# Altium PCB cyber60-mxhs.PcbDoc (part 2 of 4)
Units mm, origin at the board's own origin, x right, y up, seen from the top; angles counter-clockwise.
Board outline 284.73 x 94.2 mm, 2 copper layers (Component Side, Bottom Layer), stack 1.571 mm thick; 236 components, 146 nets, 1621 pads, 605 vias.
Unrouted connection lines stored in the file: 6.
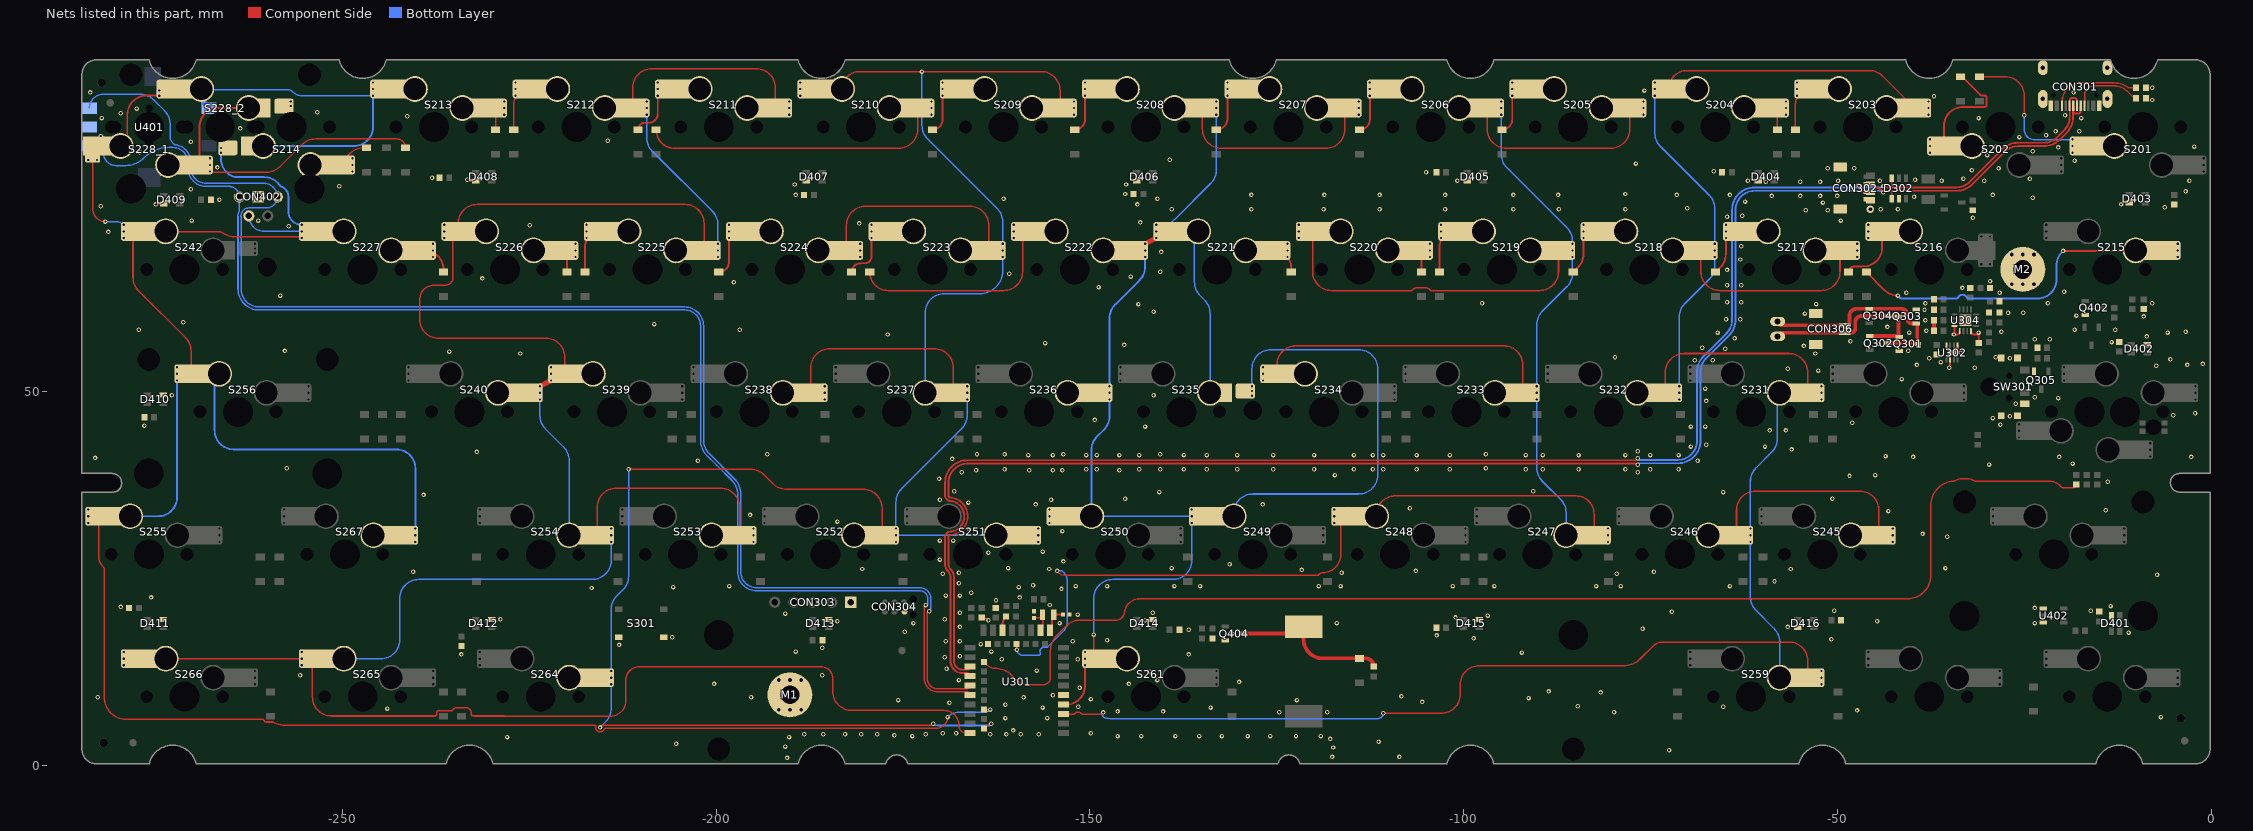
[diagram p2: the nets of this part, all layers, seen from the top]

## Via types
v1: diameter 0.6, hole 0.3, Component Side to Bottom Layer, tented both sides, 594 vias
v2: diameter 1, hole 0.5, Component Side to Bottom Layer, tented both sides, 11 vias

## Nets (pads, with @x,y where several pads share a name; then routed paths per layer and width w, separated by ;. In a path a pad name is that pad's centre, name@x,y a point inside that pad or via, vN(x,y) a via of type N, cw(c..) or ccw(c..) an arc to the next point about the centre after c; other vN are vias at no path point) (continued)
col2: S203.2 S204.2 S217.2 S218.2 S231.2 S232.2 S245.2 S246.2 S259.2 U301.3 | length 327.1
  Component Side w0.203: U301.3@-153.543,6.866 -152.176,6.866 ccw(c-152.177,7.069) -152.024,6.935 cw(c-151.572,6.538) -151.119,6.934 ccw(c-150.967,7.069) -150.968,6.866 -148.443,6.866 ccw(c-148.443,7.1) v1(-148.209,7.1) ; v1(-110.744,6.985) -103.022,6.985 ccw(c-103.022,9.55) -100.457,9.55 -100.457,10.802 cw(c-97.892,10.802) -97.892,13.368 -78.569,13.368 ccw(c-78.569,16.463) -76.83,13.902 ccw(c-78.569,16.463) -76.381,14.274 -74.716,15.939 cw(c-73.311,14.537) -73.311,16.521 -59.563,16.521 -56.462,16.521 ; S232.2@-73.028,49.855 -73.028,52.578 cw(c-70.488,52.578) -70.488,55.118 -56.518,55.118 cw(c-56.518,52.578) -53.978,52.578 S231.2@-53.978,49.855 ; S204.2@-72.59,90.495 cw(c-70.121,90.495) -70.121,92.964 -45.751,92.964 cw(c-45.751,90.424) -43.955,92.22 S203.2@-39.69,87.955 ; S218.2@-68.199,69.064 cw(c-68.424,69.064) S218.2@-68.265,68.905 -68.265,66.076 ccw(c-65.725,66.076) -65.725,63.536 -52.197,63.536 ccw(c-52.197,66.076) -49.657,66.076 -49.657,68.463 cw(c-49.215,68.463) S217.2@-49.215,68.905 ; S246.2@-63.503,30.805 -63.503,34.163 cw(c-60.963,34.163) -60.963,36.703 -46.993,36.703 cw(c-46.993,34.163) -44.453,34.163 S245.2@-44.453,30.805 ; -56.462,16.521 cw(c-56.462,14.034) -53.975,14.034 -53.975,13.843 -53.977,13.841 S259.2@-53.977,11.755
  Bottom Layer w0.203: v1(-148.209,7.1) cw(c-148.328,7.1) -148.328,6.981 -148.383,6.981 cw(c-148.382,7.184) -148.449,6.992 cw(c-148.382,7.184) -148.452,6.993 ccw(c-147.543,7.229) -148.208,6.565 ccw(c-147.543,7.229) -148.205,6.563 ccw(c-147.543,7.229) -147.868,6.348 ccw(c-147.799,6.539) -147.816,6.336 -147.566,6.315 -147.26,6.29 -146.304,6.29 -142.748,6.29 -111.439,6.29 ccw(c-111.439,6.985) v1(-110.744,6.985) ; S204.2@-74.45,89.606 -74.45,84.646 ccw(c-71.91,84.646) -73.706,82.85 -67.149,76.293 cw(c-68.945,74.497) -66.405,74.497 S218.2@-66.405,69.794 ; S232.2@-71.168,50.744 -71.168,59.987 cw(c-68.628,59.987) -70.424,61.783 -67.149,65.058 ccw(c-68.945,66.854) -66.405,66.854 S218.2@-66.405,68.016 ; S246.2@-61.643,29.916 -61.643,22.563 ccw(c-59.103,22.563) -60.899,20.767 -58.471,18.339 cw(c-60.267,16.543) -57.727,16.543 S259.2@-57.727,11.755 ; S246.2@-61.643,31.694 -61.643,38.016 cw(c-59.103,38.016) -60.899,39.812 -58.783,41.928 ccw(c-60.579,43.724) -58.039,43.724 -58.039,49.104 cw(c-56.977,49.104) S231.2@-57.728,49.855
  Bottom Layer w0.7: S204.2@-74.45,89.606 S204.2@-74.45,90.495 S204.2@-74.45,91.384 ; S232.2@-71.168,48.966 S232.2@-71.168,49.855 S232.2@-71.168,50.744 ; S218.2@-66.405,68.016 S218.2@-66.405,68.905 S218.2@-66.405,69.794 ; S246.2@-61.643,29.916 S246.2@-61.643,30.805 S246.2@-61.643,31.694 ; S231.2@-52.118,48.966 S231.2@-52.118,49.855 S231.2@-52.118,50.744 ; S259.2@-52.117,10.866 S259.2@-52.117,12.644 ; S217.2@-47.355,68.016 S217.2@-47.355,69.794 ; S245.2@-42.593,29.916 S245.2@-42.593,31.694 ; S203.2@-37.83,87.066 S203.2@-37.83,88.844
col3: S205.2 S206.2 S219.2 S220.2 S233.2 S234.2 S247.2 S248.2 U301.18 | length 286.7
  Component Side w0.203: U301.18@-159.793,16.256 -159.793,15.521 ccw(c-159.766,15.521) v1(-159.766,15.494) ; v1@-154.559,26.035 ccw(c-153.114,27.48) -153.114,25.436 ; -153.114,25.436 -153.035,25.436 -119.566,25.436 ccw(c-119.566,25.64) -119.405,25.515 cw(c-118.847,25.085) -118.847,25.79 ccw(c-118.847,28.178) -116.459,28.178 -116.459,32.339 cw(c-115.453,32.339) S248.2@-115.453,33.345 S248.2@-115.453,34.544 ; S234.2@-124.978,52.395 -124.978,53.594 cw(c-122.438,53.594) -122.438,56.134 -94.618,56.134 cw(c-94.618,53.594) -92.078,53.594 S233.2@-92.078,49.855 ; -120.215,65.913 -120.215,66.076 ; S220.2@-120.215,71.445 -120.215,66.076 ; S248.2@-111.703,33.345 -111.703,33.503 cw(c-109.138,33.503) -109.138,36.068 -84.966,36.068 cw(c-84.966,33.655) -82.553,33.655 S247.2@-82.553,30.805 ; S206.2@-96.84,87.955 -96.84,85.126 ccw(c-94.3,85.126) -94.3,82.586 -80.329,82.586 ccw(c-80.329,85.126) -77.789,85.126 S205.2@-77.79,87.955 ; S219.2@-87.376,68.966 ccw(c-87.315,68.966) S219.2@-87.315,68.905 -87.315,66.076 cw(c-89.855,66.076) -89.851,63.536 -104.335,63.536 cw(c-104.335,63.74) -104.496,63.615 ccw(c-105.054,63.185) -105.054,63.89 -106.274,63.89 ccw(c-106.274,63.185) -106.832,63.615 cw(c-106.993,63.74) -106.992,63.536 -117.675,63.536 cw(c-117.675,66.076) -120.215,66.076
  Bottom Layer w0.203: v1(-159.766,15.494) -159.69,15.418 -159.69,15.164 -159.474,14.948 ccw(c-158.952,15.47) -158.952,14.732 -156.928,14.732 ccw(c-156.928,16.466) -156.815,14.736 ccw(c-156.829,14.938) -156.64,15.014 cw(c-156.083,15.24) -156.509,15.665 cw(c-156.083,15.24) -156.508,15.666 cw(c-156.083,15.24) -156.083,15.842 cw(c-156.083,15.24) -155.874,15.804 ccw(c-155.805,15.995) -155.671,15.842 ccw(c-155.805,15.995) -155.662,15.851 -153.447,18.066 cw(c-153.162,17.78) -153.428,18.083 ccw(c-153.563,18.235) -153.367,18.18 cw(c-152.4,17.907) -153.115,18.613 ccw(c-153.26,18.755) -153.057,18.754 -153.057,24.765 ccw(c-154.559,24.765) -153.724,26.013 ccw(c-153.836,25.844) -153.877,26.043 cw(c-153.953,26.412) -153.953,26.035 v1@-154.559,26.035 ; S206.2@-94.98,87.066 -94.98,81.808 ccw(c-92.44,81.808) -94.236,80.012 -86.199,71.975 cw(c-87.995,70.179) -85.455,70.179 S219.2@-85.455,69.794 ; S233.2@-90.218,48.966 -90.218,44.788 -90.218,39.835 ccw(c-87.678,39.835) -89.474,38.039 -86.995,35.56 cw(c-88.666,33.889) -86.303,33.889 S247.2@-86.303,30.805 ; S233.2@-90.218,50.744 -90.218,58.971 cw(c-87.678,58.971) -89.474,60.767 -86.199,64.042 ccw(c-87.995,65.838) -85.455,65.838 S219.2@-85.455,68.016
  Bottom Layer w0.7: S234.2@-126.838,51.506 S234.2@-126.838,52.395 S234.2@-126.838,53.284 ; S220.2@-122.075,70.556 S220.2@-122.075,71.445 S220.2@-122.075,72.334 ; S248.2@-117.313,32.456 S248.2@-117.313,34.234 ; S206.2@-94.98,87.066 S206.2@-94.98,87.955 S206.2@-94.98,88.844 ; S233.2@-90.218,48.966 S233.2@-90.218,49.855 S233.2@-90.218,50.744 ; S219.2@-85.455,68.016 S219.2@-85.455,68.905 S219.2@-85.455,69.794 ; S247.2@-80.693,29.916 S247.2@-80.693,30.805 S247.2@-80.693,31.694 ; S205.2@-75.93,87.066 S205.2@-75.93,88.844
  other v1: -154.35,26.035
col4: S207.2 S208.2 S221.2 S222.2 S235.2 S236.2 S249.2 S250.2 S261.1 U301.4 | length 230.4
  Component Side w0.203: v1(-149.479,17.526) -149.479,14.985 S261.1@-148.789,14.295 ; S221.2@-139.446,71.445 S221.2@-139.266,71.445 ; S208.2@-134.941,87.955 -134.941,85.126 ccw(c-132.401,85.126) -132.401,82.586 -118.43,82.586 ccw(c-118.43,85.126) -115.89,85.126 S207.2@-115.89,87.955
  Component Side w0.254: U301.4@-153.543,8.136 -153.215,8.136 ccw(c-153.215,10.701) -150.649,10.701 S261.1@-150.649,13.406
  Component Side w0.7: S222.2@-142.606,69.794 S221.2@-141.126,70.556
  Bottom Layer w0.203: v1(-149.479,17.526) -149.479,22.352 cw(c-146.939,22.352) -146.939,24.892 -138.902,24.892 ccw(c-138.902,27.432) -136.362,27.432 S249.2@-136.362,32.456 ; S221.2@-141.126,72.334 -140.427,72.334 ccw(c-140.427,74.874) -138.631,73.078 -133.825,77.884 ccw(c-135.621,79.68) -133.081,79.68 S208.2@-133.081,87.066 ; S221.2@-135.516,71.445 ccw(c-134.306,70.235) -136.017,70.235 -136.017,64.679 ccw(c-133.477,64.679) -135.273,62.883 -134.672,62.282 cw(c-136.468,60.486) -133.928,60.486 S235.2@-133.928,49.855 ; S249.2@-130.752,33.345 -130.752,33.782 cw(c-128.212,33.782) -128.212,36.322 -114.046,36.322 ccw(c-114.046,38.862) -111.506,38.862 -111.506,53.086 ccw(c-114.046,53.086) -114.046,55.626 -125.778,55.626 ccw(c-125.778,53.086) -128.318,53.086 S235.2@-128.318,50.744
  Bottom Layer w0.254: S236.2@-147.368,48.966 -147.368,46.724 cw(c-149.908,46.724) -148.112,44.928 -149.059,43.981 ccw(c-147.263,42.185) -149.803,42.185 S250.2@-149.803,33.345 S249.2@-136.362,33.345 ; S236.2@-147.368,50.744 -147.368,59.86 cw(c-144.828,59.86) -146.624,61.656 -143.35,64.93 ccw(c-145.146,66.726) -142.606,66.726 S222.2@-142.606,68.016
  Bottom Layer w0.7: S250.2@-155.413,32.456 S250.2@-155.413,34.234 ; S261.1@-150.649,13.406 S261.1@-150.649,14.295 S261.1@-150.649,15.184 ; S236.2@-147.368,48.966 S236.2@-147.368,49.855 S236.2@-147.368,50.744 ; S222.2@-142.606,68.016 S222.2@-142.606,68.905 S222.2@-142.606,69.794 ; S221.2@-141.126,70.556 S221.2@-141.126,71.445 S221.2@-141.126,72.334 ; S249.2@-136.362,32.456 S249.2@-136.362,33.345 S249.2@-136.362,34.234 ; S208.2@-133.081,87.066 S208.2@-133.081,87.955 S208.2@-133.081,88.844 ; S235.2@-128.318,49.465 S235.2@-128.318,50.11 S235.2@-128.318,50.744 ; S207.2@-114.03,87.066 S207.2@-114.03,88.844
col5: S209.2 S210.2 S223.2 S224.2 S237.2 S238.2 S251.2 S252.2 S264.1 U301.42 | length 322.8
  Component Side w0.203: v1@-215.519,5.207 cw(c-215.066,4.754) -215.066,5.395 -171.259,5.395 -171.243,5.395 -171.049,5.588 v1(-170.942,5.588) ; v1(-211.709,39.624) -195.362,39.624 cw(c-195.362,37.084) -193.566,38.88 -192.387,37.701 ccw(c-190.591,39.497) -190.591,36.957 -180.343,36.957 cw(c-180.343,34.417) -177.803,34.417 S252.2@-177.803,30.805 ; S238.2@-187.328,49.855 -187.328,53.213 cw(c-184.788,53.213) -184.788,55.753 -170.818,55.753 cw(c-170.818,53.213) -168.278,53.213 S237.2@-168.278,49.855 ; S210.2@-183.141,90.495 cw(c-180.799,90.495) -180.799,92.837 v1(-172.466,92.837) -156.531,92.837 cw(c-156.531,90.297) -153.991,90.297 S209.2@-153.991,87.955 ; S224.2@-182.566,68.905 -182.566,72.263 cw(c-180.026,72.263) -180.026,74.803 -166.056,74.803 cw(c-166.056,72.263) -163.516,72.263 S223.2@-163.516,68.905 ; U301.42@-164.193,4.961 -163.828,5.326 cw(c-163.195,4.692) -163.464,5.547 cw(c-163.195,4.692) v1(-163.195,5.588)
  Bottom Layer w0.203: v1(-215.519,5.1) -214.786,5.833 ccw(c-216.582,7.629) -214.042,7.629 S264.1@-214.042,10.866 ; S264.1@-214.042,12.644 -214.042,20.872 cw(c-211.502,20.872) -213.298,22.668 -212.453,23.513 ccw(c-214.249,25.309) -211.709,25.309 v1(-211.709,39.624) ; S252.2@-175.943,31.694 -175.943,35.222 cw(c-173.403,35.222) -175.199,37.018 -167.162,45.055 ccw(c-168.958,46.851) -166.418,46.851 S237.2@-166.418,48.966 ; v1(-172.466,92.837) -172.466,85.634 ccw(c-169.926,85.634) -171.722,83.838 -162.4,74.516 cw(c-164.196,72.72) -161.656,72.72 S223.2@-161.656,69.794 ; S237.2@-172.028,49.855 -172.028,60.579 cw(c-169.488,60.579) -169.488,63.119 -165.096,63.119 -164.719,63.119 ccw(c-164.719,66.182) -161.656,66.182 S223.2@-161.656,68.016 ; v1(-170.942,5.588) ccw(c-170.382,6.148) -170.685,5.416 ccw(c-170.382,6.148) -170.382,5.356 -163.427,5.356
  Bottom Layer w0.254: S252.2@-175.943,30.805 S251.2@-162.503,30.805
  Bottom Layer w0.7: S264.1@-214.042,10.866 S264.1@-214.042,11.755 S264.1@-214.042,12.644 ; S210.2@-188.751,89.606 S210.2@-188.751,90.495 S210.2@-188.751,91.384 ; S238.2@-185.468,48.966 S238.2@-185.468,49.855 S238.2@-185.468,50.744 ; S224.2@-180.706,68.016 S224.2@-180.706,68.905 S224.2@-180.706,69.794 ; S252.2@-175.943,29.916 S252.2@-175.943,30.805 S252.2@-175.943,31.694 ; S237.2@-166.418,48.966 S237.2@-166.418,49.855 S237.2@-166.418,50.744 ; S223.2@-161.656,68.016 S223.2@-161.656,68.905 S223.2@-161.656,69.794 ; S251.2@-156.893,29.916 S251.2@-156.893,30.805 S251.2@-156.893,31.694 ; S209.2@-152.131,87.066 S209.2@-152.131,87.955 S209.2@-152.131,88.844
col6: S211.2 S212.2 S225.2 S226.2 S239.2 S240.2 S253.2 S254.2 S265.2 S266.2 U301.43 | length 370.5
  Component Side w0.203: S266.2@-277.377,14.295 S266.2@-277.377,14.351 ; S266.2@-273.627,14.295 S265.2@-255.419,14.295 ; S265.2@-253.559,14.351 S265.2@-253.559,14.295 ccw(c-253.559,13.854) -254,13.854 -254,9.166 ccw(c-251.46,9.166) -253.559,7.736 ccw(c-251.46,9.166) -251.46,6.626 -237.589,6.626 ccw(c-237.589,6.829) -237.386,6.829 -237.386,7.035 cw(c-237.084,7.035) -237.084,7.337 -235.425,7.337 ccw(c-235.426,7.54) -235.257,7.426 cw(c-234.671,7.035) -234.671,7.74 -233.451,7.74 cw(c-233.451,7.035) -232.746,7.035 -232.746,6.841 ccw(c-232.543,6.841) -232.586,6.642 ccw(c-232.227,8.338) -232.519,6.629 ccw(c-232.484,6.829) -232.484,6.626 -228.368,6.626 cw(c-228.368,6.604) -228.346,6.604 -214.122,6.604 ccw(c-214.122,8.636) -212.09,8.636 -212.09,11.176 cw(c-209.931,11.176) -212.075,11.428 cw(c-210.295,11.428) -210.922,13.094 cw(c-210.295,11.428) -210.295,13.208 -193.675,13.208 -185.928,13.208 cw(c-185.928,11.684) -184.404,11.684 -184.404,9.931 ccw(c-181.839,9.931) -181.839,7.366 -169.545,7.366 cw(c-169.545,5.334) -167.513,5.334 ccw(c-166.505,5.334) -166.505,4.326 U301.43@-166.043,4.326 ; S239.2@-220.228,52.395 -220.228,54.61 ccw(c-222.768,54.61) -222.768,57.15 -237.109,57.15 cw(c-237.109,59.69) -239.649,59.69 -239.649,62.357 cw(c-237.744,62.357) -237.744,64.262 -236.22,64.262 ccw(c-236.22,65.278) -235.204,65.278 -235.204,70.757 cw(c-234.516,70.757) S226.2@-234.516,71.445 -234.516,72.517 cw(c-231.976,72.517) -231.976,75.057 -204.156,75.057 cw(c-204.156,72.517) -201.616,72.517 S225.2@-201.616,68.905 ; S254.2@-215.903,30.805 -215.903,34.544 cw(c-213.363,34.544) -213.363,37.084 -199.393,37.084 cw(c-199.393,34.544) -196.853,34.544 S253.2@-196.853,30.805 ; S212.2@-211.141,87.955 -211.141,90.678 cw(c-208.601,90.678) -208.601,93.218 -194.631,93.218 cw(c-194.631,90.678) -192.091,90.678 S211.2@-192.091,87.955
  Component Side w0.7: S240.2@-223.568,50.744 S239.2@-222.088,51.506
  Bottom Layer w0.203: S265.2@-249.809,14.295 -244.856,14.295 ccw(c-244.856,16.835) -242.316,16.835 -242.316,22.352 cw(c-239.776,22.352) -239.776,24.892 -235.45,24.892 -216.583,24.892 ccw(c-216.583,27.432) -214.043,27.432 S254.2@-214.043,29.916 ; S240.2@-223.568,48.966 -223.568,46.82 ccw(c-221.028,46.82) -222.824,45.024 -220.397,42.597 cw(c-222.193,40.801) -219.653,40.801 S254.2@-219.653,30.805 ; S212.2@-209.281,87.066 -209.281,83.968 ccw(c-206.741,83.968) -208.537,82.172 -200.5,74.135 cw(c-202.296,72.339) -199.756,72.339 S225.2@-199.756,69.794
  Bottom Layer w0.7: S266.2@-279.237,13.406 S266.2@-279.237,14.295 S266.2@-279.237,15.184 ; S265.2@-255.419,13.406 S265.2@-255.419,14.295 S265.2@-255.419,15.184 ; S226.2@-236.376,70.556 S226.2@-236.376,71.445 S226.2@-236.376,72.334 ; S240.2@-223.568,48.966 S240.2@-223.568,49.855 S240.2@-223.568,50.744 ; S239.2@-222.088,51.506 S239.2@-222.088,52.395 S239.2@-222.088,53.284 ; S254.2@-214.043,29.916 S254.2@-214.043,30.805 S254.2@-214.043,31.694 ; S212.2@-209.281,87.066 S212.2@-209.281,87.955 S212.2@-209.281,88.844 ; S225.2@-199.756,68.016 S225.2@-199.756,68.905 S225.2@-199.756,69.794 ; S253.2@-194.993,29.916 S253.2@-194.993,30.805 S253.2@-194.993,31.694 ; S211.2@-190.231,87.066 S211.2@-190.231,87.955 S211.2@-190.231,88.844
col7: CON401.2 S213.2 S214.2 S227.2 S228_1.2 S228_2.1 S242.1 S255.2 S256.2 S267.2 U301.38 U401.2 | length 375.6
  Component Side w0.203: S228_1.2@-283.404,81.656 -283.404,74.489 ccw(c-281.686,74.489) v1(-281.686,72.771) ; S228_1.2@-283.337,81.661 S228_1.2@-283.337,82.808 ; S255.2@-282.14,33.345 ccw(c-281.09,32.295) -282.575,32.295 -282.575,27.896 ccw(c-280.841,27.896) -282.067,26.67 cw(c-282.627,26.11) -281.835,26.11 -281.835,9.12 ccw(c-278.892,9.12) -281.76,8.459 ccw(c-278.892,9.12) -281.481,7.72 ccw(c-278.892,9.12) -280.537,6.679 ccw(c-278.892,9.12) -279.033,6.18 ccw(c-278.892,9.12) -278.892,6.177 -260.681,6.177 cw(c-260.68,5.974) -260.486,6.035 ccw(c-260.198,6.125) -260.198,5.823 -259.34,5.823 cw(c-259.339,5.62) -259.237,5.796 ccw(c-257.754,8.338) -257.754,5.395 -216.32,5.395 cw(c-216.319,5.192) -216.117,5.168 ccw(c-215.519,5.1) -214.964,4.867 cw(c-214.777,4.788) -214.776,4.992 -179.07,4.992 -177.546,4.992 -171.701,4.992 -171.696,4.986 -170.528,4.986 ccw(c-170.528,6.477) v1(-169.037,6.477) ; S242.1@-277.379,71.445 ccw(c-275.873,69.939) -278.003,69.939 -278.003,65.314 ccw(c-275.463,65.314) -277.259,63.518 -270.984,57.243 cw(c-272.78,55.447) -270.24,55.447 S256.2@-270.24,52.395 ; S242.1@-273.629,71.445 ccw(c-273.458,71.616) -273.458,71.374 -266.256,71.374 cw(c-266.279,71.172) -266.163,71.339 ; -266.162,71.338 ccw(c-264.171,74.216) -265.815,71.127 ccw(c-264.171,74.216) -265.517,70.986 ccw(c-264.171,74.216) -264.171,70.717 -255.324,70.717 ccw(c-255.324,73.203) S227.2@-253.566,71.445 ; S213.2@-244.765,89.771 S213.2@-244.041,90.495 ccw(c-243.3,89.754) S213.2@-244.348,89.754 ; S267.2@-241.046,30.944 ccw(c-240.907,30.944) S267.2@-240.907,30.805 ; U301.38@-164.193,7.501 -164.185,7.493 v1(-163.322,7.493)
  Component Side w0.254: S228_1.2@-279.654,82.875 ccw(c-279.654,83.764) -278.765,83.764 -278.765,87.066 cw(c-276.225,87.066) -276.225,89.606 S228_2.1@-274.476,89.606
  Bottom Layer w0.203: v1(-281.686,72.771) -280.294,72.771 cw(c-280.294,71.279) S242.1@-279.239,72.334 ; S228_2.1@-268.866,90.495 ccw(c-268.695,90.666) -268.695,90.424 -257.46,90.424 cw(c-257.46,89.123) -256.54,90.043 ccw(c-255.485,91.098) -256.201,89.789 ccw(c-255.485,91.098) -255.779,89.635 ccw(c-255.485,91.098) -255.485,89.606 S213.2@-245.901,89.606 ; CON401.2@-262.509,73.533 ccw(c-260.421,73.533) -260.421,71.445 S227.2@-255.426,71.445 ; S227.2@-249.816,71.445 ccw(c-249.816,72.61) S227.2@-248.651,72.61 ; v1(-169.037,6.477) cw(c-167.504,4.944) -167.504,7.112 -164.242,7.112 ccw(c-164.242,8.413) v1(-163.322,7.493)
  Bottom Layer w0.254: S255.2@-278.39,33.345 -274.64,33.345 ccw(c-274.64,35.885) -272.1,35.885 S256.2@-272.1,51.506 S256.2@-272.1,52.395 S256.2@-272.1,53.284 ; S256.2@-266.49,52.395 ccw(c-266.49,51.804) -267.081,51.804 -267.081,44.831 ccw(c-264.541,44.831) -264.541,42.291 -242.776,42.291 cw(c-242.776,39.751) -240.236,39.751 S267.2@-240.236,31.694 ; S214.2@-266.221,81.986 -266.221,81.153 ccw(c-263.681,81.153) -264.392,78.715 ccw(c-264.323,78.959) -264.324,78.705 -260.499,78.705 cw(c-260.499,76.073) -259.211,78.368 cw(c-260.499,76.073) -258.33,77.563 ccw(c-258.121,77.708) -258.207,77.469 cw(c-258.699,76.073) -257.225,75.939 -257.225,74.133 ccw(c-255.426,74.133) S227.2@-255.426,72.334 ; S214.2@-260.611,82.875 -248.441,82.875 ccw(c-248.441,85.415) -245.901,85.415 S213.2@-245.901,89.606 ; S227.2@-255.444,70.538 S227.2@-255.426,70.556
  Bottom Layer w0.6: S228_1.2@-283.993,81.015 S228_1.2@-282.815,81.015 ; v1(-282.321,84.201) -281.739,83.619 ccw(c-279.943,85.415) -279.943,82.875 S228_1.2@-279.654,82.875
  Bottom Layer w0.7: S255.2@-284,32.456 S255.2@-284,33.345 S255.2@-284,34.234 ; S242.1@-279.239,70.556 S242.1@-279.239,71.445 S242.1@-279.239,72.334 ; S228_2.1@-274.476,89.606 v1(-274.476,90.297) ; S228_2.1@-268.866,90.495 -268.866,89.989 ccw(c-266.326,89.989) -268.122,88.193 U401.2@-267.844,87.915 ; S214.2@-266.221,81.986 S214.2@-266.221,82.62 ; S227.2@-255.426,70.556 S227.2@-255.426,71.445 S227.2@-255.426,72.334 ; S213.2@-245.901,89.606 S213.2@-245.901,90.495 S213.2@-245.901,91.384 ; S267.2@-240.236,29.916 S267.2@-240.236,30.805 S267.2@-240.236,31.694
D_N: CON301.A7 CON301.B7 CON302.2 D302.1 U301.29 | length 225.4
  Component Side w0.254: U301.29@-166.043,13.216 cw(c-166.449,13.216) -166.449,12.81 -167.005,12.81 cw(c-167.005,14.003) -168.199,14.003 -168.199,25.187 ccw(c-169.756,25.187) -168.655,26.288 -168.656,26.289 cw(c-168.043,26.902) -168.91,26.902 -168.91,30.589 cw(c-168.656,30.589) -168.676,30.842 ccw(c-168.853,33.345) -168.676,35.848 cw(c-168.656,36.101) -168.91,36.1 -168.91,37.846 cw(c-166.37,37.846) -166.37,40.386 -76.856,40.386 cw(c-76.856,40.238) v1(-76.708,40.238) ; CON302.2@-44.977,77.577 -45.58,77.738 -45.625,77.75 cw(c-45.625,76.159) -44.5,77.284 ; -44.5,77.284 cw(c-45.625,76.159) -44.499,77.282 -44.364,77.147 cw(c-44.543,76.967) -44.345,77.126 ccw(c-43.855,77.518) -44.248,77.029 cw(c-44.405,76.83) -44.225,77.009 v1(-43.88,76.664) ; v1(-43.88,76.664) -43.88,76.687 cw(c-43.401,76.208) -43.401,76.886 -42.672,76.886 ; D302.1@-42.733,75.841 -42.733,76.739 cw(c-42.525,76.739) -42.672,76.886 ; CON301.A7@-18.471,88.229 -18.471,86.77 cw(c-21.466,86.77) -19.348,84.653 -20.27,83.732 cw(c-22.387,85.849) -20.282,83.719 cw(c-22.387,85.849) -22.387,82.855 -25.821,82.855 ccw(c-25.821,80.315) -27.617,82.111 -31.965,77.763 cw(c-34.082,79.88) -34.082,76.886 -42.672,76.886 ; CON301.A7@-18.45,88.25 cw(c-18.681,88.144) -18.427,88.144 -18.427,87.525 ccw(c-18.1,87.525) -18.1,87.198 -17.8,87.198 ccw(c-17.8,87.525) -17.473,87.525 -17.473,88.144 cw(c-17.219,88.144) CON301.B7@-17.45,88.25
  Bottom Layer w0.254: v1@-76.581,40.437 -71.323,40.437 ccw(c-71.323,43.434) -68.326,43.434 -68.326,52.657 cw(c-65.786,52.657) -67.582,54.453 -64.504,57.531 ccw(c-66.621,59.649) -63.627,59.649 -63.627,74.341 cw(c-61.087,74.341) -61.087,76.881 -44.405,76.881 cw(c-44.405,76.366) -44.04,76.73 ccw(c-43.88,76.89) v1(-43.88,76.664)
D_P: CON301.A6 CON301.B6 CON302.3 D302.6 U301.31 | length 226.3
  Component Side w0.254: U301.31@-166.043,11.946 ccw(c-166.449,11.946) -166.449,12.352 -167.005,12.352 cw(c-167.005,14.003) -168.656,14.003 -168.656,25.185 ccw(c-169.76,25.185) -168.979,25.966 -168.981,25.967 cw(c-168.048,26.9) -169.367,26.9 -169.367,30.591 cw(c-168.656,30.589) -168.71,31.298 ccw(c-168.853,33.345) -168.71,35.392 cw(c-168.656,36.101) -169.367,36.1 -169.367,36.982 -169.367,37.846 cw(c-166.37,37.846) -166.37,40.843 -76.957,40.843 ccw(c-76.957,41.092) v1(-76.708,41.092) ; v1(-47.2,77.597) ccw(c-46.253,77.597) -46.253,76.65 CON302.3@-45.55,76.65 ; CON302.3@-46.143,76.75 CON302.3@-45.729,76.75 CON302.3@-45.625,76.75 ; v1(-43.855,77.518) ccw(c-43.401,78.02) -43.401,77.343 -42.672,77.343 ; D302.6@-42.799,78.525 cw(c-42.733,78.525) D302.6@-42.733,78.591 -42.733,77.49 ccw(c-42.525,77.49) -42.672,77.343 ; -20.593,84.055 cw(c-22.388,85.852) -21.414,83.506 cw(c-22.388,85.852) -21.416,83.505 cw(c-22.388,85.852) -22.388,83.312 -25.822,83.312 ccw(c-25.822,80.318) -27.94,82.435 -32.288,78.087 cw(c-34.084,79.883) -34.084,77.343 -42.672,77.343 ; -20.592,84.056 -19.673,84.975 ccw(c-21.469,86.772) -18.929,86.772 -18.929,88.229 CON301.B6@-18.95,88.25 ccw(c-19.181,88.356) -18.927,88.357 -18.927,88.975 cw(c-18.6,88.975) -18.6,89.302 -18.3,89.302 cw(c-18.3,88.975) -18.278,89.301 cw(c-18.3,88.975) -17.973,88.975 -17.973,88.591 ccw(c-17.719,88.591) -17.969,88.546 cw(c-19.104,88.338) -17.95,88.338 CON301.A6@-17.95,88.25
  Bottom Layer w0.254: v1@-76.581,40.894 -71.323,40.894 ccw(c-71.323,43.434) -68.783,43.434 -68.783,52.659 cw(c-65.789,52.659) -67.906,54.776 -64.828,57.854 ccw(c-66.624,59.65) -64.084,59.65 -64.084,74.341 cw(c-61.087,74.341) -61.087,77.339 -44.288,77.339 ccw(c-44.288,77.725) -44.015,77.452 cw(c-43.855,77.292) v1(-43.855,77.518)
ENC_A: CON402.3 U301.35 U401.A | length 183.7
  Component Side w0.203: v1(-171.958,21.463) ccw(c-171.958,21.265) -172.156,21.265 -172.156,11.643 ccw(c-170.397,11.643) -171.226,10.091 -171.225,10.09 ccw(c-170.397,11.643) -170.397,9.884 -166.521,9.884 cw(c-166.521,9.406) U301.35@-166.043,9.406
  Bottom Layer w0.203: U401.A@-283.844,82.915 -282.94,82.915 cw(c-282.94,81.915) -281.94,81.915 ccw(c-280.289,81.915) -280.289,80.264 -279,80.264 ccw(c-278.999,83.752) -276.531,81.286 cw(c-273.174,77.929) -273.174,82.677 -272.669,82.677 cw(c-272.669,80.645) -270.637,80.645 -270.637,80.347 ccw(c-268.097,80.347) -270.628,80.138 -270.628,79.874 ccw(c-268.224,79.874) -268.224,77.47 -265.176,77.47 cw(c-265.176,76.073) CON402.3@-263.779,76.073 -263.779,74.295 cw(c-263.982,74.294) -263.802,74.2 ccw(c-262.509,73.533) -263.957,73.389 cw(c-264.159,73.369) -263.956,73.368 -263.956,63.781 ccw(c-261.112,63.781) -261.112,60.938 -204.216,60.938 cw(c-204.216,58.801) -202.079,58.801 -202.079,43.532 ccw(c-199.136,43.532) -201.22,41.454 ccw(c-199.136,43.532) -201.218,41.452 -199.962,40.196 cw(c-200.104,40.051) -199.96,40.194 -199.898,40.132 -197.848,38.082 cw(c-199.644,36.286) -197.104,36.286 -197.104,25.908 ccw(c-194.564,25.908) -194.564,23.368 -172.713,23.368 cw(c-172.713,22.359) -171.704,22.359 v1@-171.704,21.463
ENC_B: CON402.1 U301.33 U401.B | length 195
  Component Side w0.203: v1(-171.486,20.626) ccw(c-171.486,20.36) -171.684,20.539 ccw(c-171.486,20.36) -171.753,20.36 -171.753,11.643 ccw(c-170.397,11.643) -170.397,10.287 -166.432,10.287 ccw(c-166.432,10.676) U301.33@-166.043,10.676
  Bottom Layer w0.203: U401.B@-283.844,87.915 cw(c-281.97,87.915) -281.97,89.789 -277.023,89.789 cw(c-277.023,87.249) -275.227,89.045 -273.794,87.612 cw(c-275.59,85.816) -273.05,85.816 -273.05,84.191 ccw(c-271.765,84.191) -272.417,83.084 ccw(c-272.315,83.26) -272.343,83.058 cw(c-272.669,80.645) -271.362,82.7 cw(c-272.669,80.645) -270.234,80.645 -270.234,80.347 ccw(c-268.097,80.347) -270.226,80.17 cw(c-270.628,80.138) -270.225,80.134 -270.225,79.874 ccw(c-268.224,79.874) -268.224,77.873 -260.499,77.873 cw(c-260.499,76.073) -258.95,76.99 ccw(c-258.428,77.298) -258.562,76.707 cw(c-258.699,76.073) CON402.1@-258.531,76.699 ; -263.554,73.413 cw(c-263.756,73.39) -263.552,73.389 -263.552,63.781 ccw(c-261.112,63.781) -263.525,63.416 ccw(c-261.112,63.781) -261.112,61.341 -204.216,61.341 cw(c-204.216,58.801) -201.676,58.801 -201.676,43.532 ccw(c-199.136,43.532) -200.934,41.738 ccw(c-199.136,43.532) -200.932,41.736 -197.564,38.368 cw(c-199.644,36.286) -197.561,38.365 cw(c-199.644,36.286) -196.701,36.286 -196.701,25.908 ccw(c-194.564,25.908) -194.564,23.771 -172.713,23.771 cw(c-172.713,22.359) -171.301,22.359 v1@-171.301,20.626 ; -263.554,73.414 cw(c-262.509,73.533) -262.509,74.585 -260.187,74.585 ccw(c-260.187,76.073) CON402.1@-258.699,76.073
GND: C301.1 C302.1 C303.1 C304.1 C305.1 C307.1 C308.1 C309.1 C310.1 C311.1 C312.1 C313.1 C401.1 C402.1 C403.1 C404.1 C405.1 C406.1 C407.1 C408.1 C409.1 C410.1 C411.1 C412.1 C413.1 C414.1 C415.1 C416.1 CON301.A1B12 CON301.B1A12 CON301.S1 CON302.4 CON302.5 CON303.1 CON304.5 CON306.3 CON402.2 D302.2 D401.3 D402.3 D403.3 D404.3 D405.3 D406.3 D407.3 D408.3 D409.3 D410.3 D411.3 D412.3 D413.3 D414.3 D415.3 D416.3 M1.1 M2.1 Q301.2 Q303.2 Q305.2 Q402.2 Q404.2 R301.2 R302.2 R306.2 R307.2 R308.2 R310.2 R313.2 R315.2 R403.2 R408.2 S301.1 SW301.3 SW301.M U301.5 U301.21 U301.24 U302.1 U302.4 U302.6 U302.9 U304.4 U304.5 U304.8 U304.17 U401.C U402.1 U402.3 | length 14.7
  Component Side w0.203: v1(-274.955,75.057) -273.946,75.057 ccw(c-273.946,75.142) D409.3@-273.861,75.142 ; CON304.5@-174.799,20.574 -174.799,20.614 -174.244,21.169 v1(-174.244,21.209)
  Component Side w0.254: C301.1@-164.465,19.797 -164.46,19.797 cw(c-164.46,18.547) v1(-163.576,19.431) ; U301.21@-161.703,18.106 -161.703,18.737 cw(c-160.003,18.737) C305.1@-161.205,19.939 ; v1(-35.052,53.213) ccw(c-35.052,53.344) -34.921,53.344 U302.6@-34.921,54.3 ; U304.4@-34.343,58.813 -34.343,57.837 cw(c-34.596,57.837) v1(-34.417,57.658) -34.098,57.658 ccw(c-34.098,58.113) U304.5@-33.643,58.113 ; U302.1@-33.921,56.19 ccw(c-32.588,56.19) -33.531,55.248 v1(-33.528,55.245) ; U304.8@-32.143,58.113 ccw(c-31.688,58.113) -31.688,57.658 -31.369,57.658 ccw(c-31.369,57.912) v1(-31.115,57.912) -31.1,57.912 C308.1@-31.1,56.642
  Component Side w0.305: v1(-233.299,78.359) ccw(c-232.915,78.743) -232.915,78.2 D408.3@-232.148,78.2
  Component Side w0.5: C312.1@-37.099,58.166 C313.1@-37.099,59.563
  other v1: -190.5,1.016 -117.602,1.143 -108.585,1.143 -72.517,2.032 -117.475,2.413 -190.754,2.54 -205.359,2.921 -111.379,3.175 -117.856,3.556 -227.971,3.809 -190.246,3.81 -173.736,3.937 -146.304,3.937 -143.129,3.937 -138.557,3.937 -135.382,3.937 -132.334,3.937 -128.905,3.937 -125.857,3.937 -122.428,3.937 -119.126,3.937 -176.149,4.064 -188.214,4.191 -185.674,4.191 -182.753,4.191 -180.594,4.191 -178.435,4.191 -171.958,4.191 -163.322,4.191 -161.163,4.191 -159.258,4.191 -156.845,4.191 -169.672,4.318 -167.894,4.318 -149.86,4.318 -160.274,4.699 -161.29,6.35 -155.702,6.35 -6.731,6.477 -118.237,7.112 -79.883,7.112 -124.676,7.141 -146.304,7.239 -140.208,7.239 -47.371,7.366 -243.967,7.62 -156.337,7.747 -133.858,7.747 -151.572,7.856 -65.278,7.874 -84.735,7.943 -161.29,8.128 -168.783,8.382 -105.537,8.509 -175.641,8.763 -122.301,8.763 -149.86,8.89 -91.313,9.017 -282.708,9.143 -195.326,9.144 -158.877,9.144 -108.331,9.271 -154.94,9.398 -81.661,9.779 -88.646,9.906 -151.384,10.414 -200.279,10.922 -144.78,10.922 -130.048,11.176 -167.513,11.43 -140.97,11.43 -255.651,12.065 -185.801,12.065 -141.986,12.573 -157.099,12.7 -169.164,12.954 -161.798,14.224 -151.638,14.224 -169.418,14.478 -167.386,14.605 -234.061,14.859 -136.779,14.859 -92.202,15.113 -189.357,15.24 -163.195,15.24 -185.801,15.748 -212.979,16.129 -164.592,16.256 -169.291,16.637 -167.386,16.637 -152.292,16.637 -147.701,16.764 -50.8,16.891 -98.679,17.018 -205.867,17.145 -103.632,17.399 -130.937,17.653 -11.049,17.78 -174.752,17.907 -136.779,18.161 -76.073,18.288 -167.386,18.542 -56.642,18.542 -173.609,19.05 -154.051,19.05 -116.967,19.05 -23.622,19.05 -183.769,19.304 -44.704,19.304 -142.621,19.431 -228.854,19.558 -169.418,19.558 -101.092,19.812 -96.774,20.066 -151.638,20.193 -190.754,20.32 -167.386,20.447 -141.605,20.447 -72.136,20.574 -50.419,20.701 -16.129,20.701 -23.622,21.082 -279.654,21.209 -13.462,21.336 -155.375,21.474 -162.56,22.098 -275.59,22.479 -159.385,22.479 -169.291,22.733 -167.386,22.733 -165.862,23.114 -153.797,23.622 -216.662,23.749 -205.74,23.876 -159.512,23.876 -198.247,24.003 -151.892,24.003 -147.701,24.003 -138.684,24.003 -135.255,24.003 -119.38,24.003 -116.459,24.003 -101.473,24.003 -95.885,24.003 -82.296,24.003 -78.994,24.003 -64.389,24.003 -157.607,24.13 -167.513,24.384 -58.42,24.638 -7.239,25.527 -169.672,25.654 -79.517,25.646 -167.513,25.781 -116.332,25.781 -240.538,25.908 -74.549,25.908 -106.426,26.035 -121.666,26.162 -180.467,26.289 -155.448,26.289 -56.261,26.289 -160.909,26.416 -139.065,26.416 -35.56,26.416 -131.318,26.924 -153.543,27.305 -170.053,27.559 -163.576,28.448 -156.312,28.622 -170.053,30.099 -168.275,30.099 -35.306,30.607 -38.608,30.988 -153.67,31.369 -146.05,31.496 -166.116,31.623 -183.769,32.639 -195.453,33.528 -43.18,34.036 -14.097,34.163 -107.188,34.417 -157.226,34.925 -126.873,34.925 -166.243,35.179 -170.053,35.56 -155.194,35.56 -145.288,35.687 -50.673,35.687 -239.141,36.195 -140.716,36.576 -65.278,36.576 -168.148,36.703 -90.678,36.703 -13.843,37.973 -170.18,38.354 -48.387,38.735 -117.221,38.862 -44.958,38.862 -167.132,39.243 -76.708,39.243 -165.227,39.497 -158.115,39.497 -154.94,39.497 -153.67,39.497 -146.05,39.497 -161.417,39.624 -150.495,39.624 -149.098,39.624 -143.383,39.624 -140.589,39.624 -137.414,39.624 -134.366,39.624 -130.302,39.624 -125.476,39.624 -120.015,39.624 -114.681,39.624 -112.141,39.624 -110.744,39.624 -106.299,39.624 -101.854,39.624 -91.694,39.624 -89.408,39.624 -84.636,39.625 -78.359,39.624 -75.057,39.624 -71.247,39.624 -257.429,39.751 -97.028,39.751 -29.718,40.259 -18.542,40.386 -202.438,40.767 -68.707,40.767 -168.402,41.021 -283.083,41.148 -39.878,41.275 -20.32,41.275 -2.667,41.275 -43.561,41.402 -158.242,41.529 -154.94,41.529 -150.495,41.529 -149.098,41.529 -146.05,41.529 -143.383,41.529 -137.414,41.529 -134.366,41.529 -130.302,41.529 -125.476,41.529 -120.015,41.529 -114.681,41.529 -112.141,41.529 -110.744,41.529 -106.299,41.529 -101.854,41.529 -91.694,41.529 -89.408,41.529 -84.636,41.53 -78.359,41.529 -75.057,41.529 -71.247,41.529 -193.167,41.656 -165.1,41.656 -161.417,41.656 -153.543,41.656 -140.589,41.656 -97.028,41.656 -232.008,41.951 -76.708,42.037 -56.134,42.291 -69.596,42.672 -59.69,42.672 -67.564,42.926 -59.055,44.831 -56.896,44.831 -142.621,45.339 -69.596,45.339 -67.691,45.339 -276.479,45.466 -28.194,45.593 -48.006,45.847 -149.352,46.228 -29.21,46.482 -26.924,46.736 -5.08,46.863 -2.159,47.117 -26.162,48.387 -67.564,48.768 -20.447,49.149 -23.622,49.276 -272.796,49.53 -141.478,49.53 -67.691,50.419 -41.402,51.689 -52.578,52.832 -56.642,53.086 -31.623,53.213 -7.366,53.467 -39.37,53.594 -3.175,53.594 -1.143,53.721 -36.195,53.975 -69.088,54.229 -66.675,54.229 -5.461,54.356 -37.719,54.483 -26.924,54.483 -79.756,54.61 -28.829,54.61 -226.187,55.118 -52.959,55.118 -235.712,55.372 -257.682,55.463 -40.513,55.499 -65.024,55.753 -68.072,55.88 -54.483,56.134 -145.415,56.261 -44.45,56.388 -155.956,56.515 -13.335,56.642 -48.26,56.769 -23.622,57.023 -21.59,57.023 -63.754,57.15 -8.636,57.404 -177.038,57.658 -66.04,57.912 -40.386,57.912 -5.842,57.912 -28.067,58.039 -3.429,58.039 -38.1,58.166 -277.241,58.293 -196.85,58.293 -18.288,58.293 -12.827,58.293 -43.307,58.674 -208.28,59.055 -271.272,59.309 -38.227,59.563 -32.893,59.563 -64.897,59.69 -62.992,59.69 -9.017,60.071 -18.034,60.198 -54.356,60.452 -27.178,60.579 -25.146,60.579 -141.478,60.706 -38.354,60.96 -143.51,61.722 -52.832,61.722 -97.536,61.849 -38.227,61.849 -21.844,61.849 -7.874,61.849 -64.77,61.976 -62.865,61.976 -258.318,62.865 -40.767,63.246 -28.321,63.246 -19.685,63.373 -33.274,63.881 -148.844,64.008 -64.77,64.262 -62.865,64.262 -197.612,64.643 -29.591,64.77 -231.267,65.151 -144.526,65.405 -160.782,65.786 -140.589,66.04 -64.77,66.294 -62.992,67.691 -140.462,68.707 -62.865,69.469 -281.305,71.374 -257.175,72.136 -224.917,72.263 -180.848,72.517 -143.256,72.644 -270.129,72.898 -261.239,72.898 -49.53,72.898 -31.877,73.279 -64.77,73.406 -62.738,73.533 -54.229,74.295 -51.308,74.295 -139.065,74.422 -128.397,74.422 -118.745,74.422 -111.252,74.422 -102.489,74.422 -93.345,74.422 -87.249,74.422 -78.359,74.422 -44.196,74.422 -41.91,74.422 -70.104,74.549 -6.223,74.676 -282.321,74.803 -143.637,75.057 -12.065,75.057 -51.943,75.311 -62.357,75.438 -266.446,75.692 -161.544,75.819 -140.97,75.819 -23.876,75.946 -39.751,76.073 -58.801,76.2 -54.991,76.2 -52.324,76.2 -50.038,76.2 -189.357,76.327 -128.397,76.327 -118.618,76.327 -111.252,76.327 -102.489,76.327 -93.345,76.327 -87.376,76.327 -71.501,76.327 -64.389,76.327 -29.21,76.327 -145.288,76.454 -78.359,76.454 -3.429,76.835 -270.256,77.089 -250.401,77.497 -189.484,77.724 -145.161,77.724 -59.563,78.105 -54.991,78.105 -52.324,78.105 -100.838,78.232 -61.976,78.232 -49.911,78.232 -44.323,78.232 -36.068,78.232 -30.353,78.232 -2.921,78.232 -39.624,78.359 -33.147,78.486 -24.257,78.486 -237.998,78.613 -105.029,79.375 -66.548,79.502 -32.004,79.629 -51.308,79.883 -47.752,79.883 -28.448,79.883 -266.7,80.01 -76.962,80.518 -18.288,80.899 -139.319,81.026 -29.972,81.661 -277.114,82.042 -23.876,82.169 -20.447,82.677 -28.829,82.804 -2.286,82.804 -270.256,83.439 -214.503,83.566 -25.654,84.074 -22.098,84.328 -20.828,84.836 -17.653,84.836 -263.652,85.217 -282.194,86.614 -31.115,86.614 -17.399,86.614 -241.3,86.868 -19.558,86.995 -279.654,87.249 -253.365,87.376 -277.495,87.884 -7.874,89.027 -37.084,89.535 -283.718,90.043 -18.415,90.043 -75.819,90.297 -7.874,90.678
  other v2: -45.593,74.422
GREEN: R411.1 U301.28 | length 169.8
  Component Side w0.203: U301.28@-164.193,13.851 -163.92,13.578 U301.28@-163.895,13.553 ; U301.28@-163.894,13.553 cw(c-164.033,13.404) -163.893,13.551 ccw(c-162.48,15.017) -163.22,13.121 ccw(c-162.48,15.017) -163.178,13.105 ccw(c-162.48,15.017) -162.584,12.984 ccw(c-162.576,13.187) -162.579,12.984 cw(c-162.604,10.041) -162.48,12.982 cw(c-162.604,10.041) -161.925,12.905 -161.923,12.904 cw(c-162.604,10.041) -160.522,12.122 -160.414,12.014 -160.08,11.679 ccw(c-157.999,13.76) -157.999,10.817 -156.21,10.817 ccw(c-156.21,11.746) -155.281,11.746 -155.281,15.33 cw(c-152.338,15.33) -154.42,17.411 -153.163,18.668 cw(c-151.269,16.776) -153.161,18.67 cw(c-151.269,16.776) -151.272,19.453 cw(c-151.269,16.776) -151.269,19.453 -149.688,19.453 -149.352,19.453 -146.58,19.453 ccw(c-146.58,20.71) -146.006,19.592 ccw(c-146.58,20.71) -145.435,20.191 ccw(c-146.58,20.71) -145.323,20.71 ccw(c-145.511,20.788) -145.311,20.751 cw(c-144.318,20.57) -145.292,20.834 cw(c-143.392,20.325) -144.328,22.055 cw(c-143.392,20.325) -143.392,22.292 -45.339,22.292 -43.561,22.292 -40.667,22.292 ccw(c-40.667,25.45) -38.496,23.157 ; -37.754,24.231 cw(c-40.667,25.45) -38.376,23.277 ; -34.475,38.041 ccw(c-34.475,38.244) -34.385,38.062 cw(c-32.994,35.25) -31.604,38.062 ccw(c-31.513,38.244) -31.513,38.041 -24.003,38.041 -21.912,38.041 cw(c-21.912,37.465) -21.91,38.041 -21.629,38.041 cw(c-21.629,36.12) -20.27,37.477 -20.05,37.257 ccw(c-19.797,37.507) -19.797,37.152 -18.459,37.152 ccw(c-18.459,37.577) -18.057,37.438 ccw(c-18.459,37.577) R411.1@-18.034,37.577 ; -34.435,38.037 ccw(c-34.273,34.804) -35.85,37.63 ccw(c-34.273,34.804) -37.225,36.131 ccw(c-34.273,34.804) -37.509,34.804 -37.509,25.45 cw(c-40.667,25.45) -38.374,23.28 cw(c-38.52,23.42) -38.376,23.277 ; -38.496,23.157 ccw(c-38.637,23.303) -38.494,23.159 ; -38.496,23.157 ccw(c-40.667,25.45) -38.494,23.159 ; -38.494,23.159 ccw(c-40.667,25.45) -38.376,23.277 ; -38.494,23.159 -38.376,23.277
NetBZ401_2: BZ401.2 D417.1 Q404.3 R404.2 | length 21.8
  Component Side w0.5: Q404.3@-129.483,17.653 -122.332,17.653 ccw(c-122.332,18.573) BZ401.2@-121.412,18.573 -121.412,16.875 ccw(c-118.872,16.875) -118.872,14.335 D417.1@-113.919,14.335 -113.126,14.335 cw(c-113.126,13.223) R404.2@-112.014,13.223
NetC303_2: C303.2 U301.11 X301.1 | length 3.4
  Component Side w0.254: U301.11@-155.353,18.106 -155.08,18.729 -155.048,19.62 X301.1@-154.825,20.193 C303.2@-153.612,20.193
NetC304_2: C304.2 U301.13 X301.2 | length 3.7
  Component Side w0.203: C304.2@-157.48,19.743 -156.775,19.743 ccw(c-156.775,20.193) X301.2@-156.325,20.193 -156.325,18.404 cw(c-156.623,18.404) U301.13@-156.623,18.106
NetCON301_A5: CON301.A5 R302.1 | length 10.5
  Component Side w0.203: -16.895,89.036 ccw(c-16.6,88.975) -16.902,88.975 -16.902,88.383 cw(c-17.105,88.382) CON301.A5@-16.95,88.25 -16.95,89.603 cw(c-15.643,89.603) -15.643,90.91 -12.983,90.91 cw(c-12.983,88.37) -12.084,90.745 cw(c-12.983,88.37) -11.187,90.166 R302.1@-10.048,89.027
NetCON301_B5: CON301.B5 R301.1 | length 12
  Component Side w0.203: CON301.B5@-19.95,88.25 -19.95,88.773 cw(c-17.41,88.773) -17.41,91.313 -12.983,91.313 cw(c-12.983,88.37) -11.652,90.995 cw(c-12.983,88.37) -11.21,90.719 ccw(c-11.088,90.881) -11.092,90.678 ccw(c-11.071,91.545) -11.071,90.678 R301.1@-10.048,90.678
NetCON305_1: CON305.1 CON306.1 Q301.3 Q302.3 Q303.1 Q304.1 | length 28.2
  Component Side w0.5: CON305.1@-58,59.404 ccw(c-57.492,59.404) -57.492,58.896 CON306.1@-49,58.896 ; CON306.1@-48.387,58.896 -48.387,60.198 cw(c-47.498,60.198) -47.498,61.087 Q304.1@-45.72,61.087 -41.402,61.087 cw(c-41.402,60.325) -40.64,60.325 -40.64,59.721 ccw(c-40.04,59.721) -40.04,59.121 Q303.1@-39.44,59.121 -39.313,59.121 Q301.3@-39.313,56.515 ; Q302.3@-43.25,56.515 Q301.3@-39.313,56.515 ; Q301.3@-39.313,56.388 Q301.3@-39.313,56.515
NetCON305_2: CON305.2 CON306.2 Q301.1 Q302.1 Q303.3 Q304.3 | length 24.8
  Component Side w0.5: CON305.2@-58,57.404 cw(c-57.508,57.404) -57.508,57.896 CON306.2@-49,57.896 -48.149,57.896 ccw(c-48.149,58.42) -47.625,58.42 -47.625,59.309 cw(c-46.797,59.309) -46.797,60.137 Q304.3@-43.32,60.137 -41.84,60.137 Q303.3@-41.84,60.071 Q301.1@-41.84,57.465 ; Q302.1@-45.65,57.465 Q301.1@-41.84,57.465 ; Q301.1@-41.713,57.338 -41.84,57.338 Q301.1@-41.84,57.465
NetD201_1: D201.1 S201.1 | length 21.6
  Component Side w0.203: D201.1@-30.988,92.135 -27.559,92.135 cw(c-27.559,89.595) -25.019,89.595 v1(-25.019,86.995) ; S201.1@-16.637,82.802 S201.1@-16.71,82.875 ; S201.1@-16.71,82.875 cw(c-16.71,83.056) -16.891,83.056 S201.1@-16.71,82.875
  Bottom Layer w0.203: v1(-25.019,86.995) -25.019,85.09 ccw(c-23.622,85.09) -23.622,83.693 -18.641,83.693 ccw(c-18.641,83.764) S201.1@-18.57,83.764
  Bottom Layer w0.7: S201.1@-18.57,81.986 S201.1@-18.57,82.875 S201.1@-18.57,83.764
NetD202_1: D202.1 S202.1 | length 17.4
  Component Side w0.254: S202.1@-35.76,82.875 -35.76,85.543 cw(c-33.22,85.543) -33.22,88.083 -30.378,88.083 ccw(c-30.378,88.41) -30.051,88.41 -30.051,89.32 ccw(c-30.378,89.32) -30.378,89.647 -30.741,89.647 cw(c-30.741,89.901) -30.92,89.721 -33.197,91.998 ccw(c-33.528,91.667) D202.1@-33.528,92.135
  Bottom Layer w0.7: S202.1@-37.62,81.986 S202.1@-37.62,83.764
NetD203_1: D203.1 S203.1 | length 8.4
  Component Side w0.203: D203.1@-55.626,85.05 -55.626,88.409 cw(c-53.54,88.409) S203.1@-53.54,90.495
  Bottom Layer w0.7: S203.1@-55.4,89.606 S203.1@-55.4,91.384
NetD204_1: D204.1 S204.1 | length 5.1
  Component Side w0.203: S204.1@-58.74,87.955 cw(c-58.74,87.254) -58.039,87.254 D204.1@-58.039,85.05
  Bottom Layer w0.7: S204.1@-56.88,87.066 S204.1@-56.88,88.844
NetD205_1: D205.1 S205.1 | length 7.1
  Component Side w0.254: D205.1@-94.869,85.05 ccw(c-94.869,86.419) -93.5,86.419 S205.1@-93.5,89.606
  Bottom Layer w0.7: S205.1@-93.5,89.606 S205.1@-93.5,90.495 S205.1@-93.5,91.384
NetD206_1: D206.1 S206.1 | length 7.1
  Component Side w0.254: D206.1@-113.919,85.05 ccw(c-113.919,86.419) -112.55,86.419 S206.1@-112.55,89.606
  Bottom Layer w0.7: S206.1@-112.55,89.606 S206.1@-112.55,90.495 S206.1@-112.55,91.384
NetD207_1: D207.1 S207.1 | length 7.2
  Component Side w0.254: D207.1@-133.096,85.05 ccw(c-133.096,86.546) -131.6,86.546 S207.1@-131.6,89.606
  Bottom Layer w0.7: S207.1@-131.6,89.606 S207.1@-131.6,90.495 S207.1@-131.6,91.384
NetD208_1: D208.1 S208.1 | length 7.1
  Component Side w0.254: D208.1@-152.019,85.05 ccw(c-152.019,86.418) -150.651,86.418 S208.1@-150.651,89.606
  Bottom Layer w0.7: S208.1@-150.651,89.606 S208.1@-150.651,90.495 S208.1@-150.651,91.384
NetD209_1: D209.1 S209.1 | length 7.1
  Component Side w0.254: D209.1@-171.069,85.05 ccw(c-171.069,86.418) -169.701,86.418 S209.1@-169.701,89.606
  Bottom Layer w0.7: S209.1@-169.701,89.606 S209.1@-169.701,90.495 S209.1@-169.701,91.384
NetD210_1: D210.1 S210.1 | length 45.9
  Component Side w0.203: -205.969,82.59 cw(c-205.526,85.05) D210.1@-208.026,85.05 ccw(c-205.562,85.05) -205.562,82.586 -175.581,82.586 ccw(c-175.581,85.126) -173.041,85.126 S210.1@-173.041,87.955
  Bottom Layer w0.7: S210.1@-171.181,87.066 S210.1@-171.181,87.955 S210.1@-171.181,88.844
NetD211_1: D211.1 S211.1 | length 8
  Component Side w0.254: D211.1@-210.439,85.05 cw(c-209.51,85.05) -209.51,85.979 -209.042,85.979 ccw(c-209.042,87.22) -207.801,87.22 S211.1@-207.801,89.606
  Bottom Layer w0.7: S211.1@-207.801,89.606 S211.1@-207.801,90.495 S211.1@-207.801,91.384
NetD212_1: D212.1 S212.1 | length 8.4
  Component Side w0.203: D212.1@-227.076,85.05 -227.076,88.41 cw(c-224.991,88.41) S212.1@-224.991,90.495
  Bottom Layer w0.7: S212.1@-226.851,89.606 S212.1@-226.851,90.495 S212.1@-226.851,91.384
NetD213_1: D213.1 S213.1 | length 5.1
  Component Side w0.203: S213.1@-230.191,87.955 cw(c-230.191,87.253) -229.489,87.253 D213.1@-229.489,85.05
  Bottom Layer w0.7: S213.1@-228.331,87.066 S213.1@-228.331,87.955 S213.1@-228.331,88.844
NetD214_1: D214.1 S214.1 | length 6.4
  Component Side w0.203: S214.1@-250.511,80.335 -248.955,81.891 cw(c-247.159,80.095) -247.159,82.635 D214.1@-246.761,82.635
  Bottom Layer w0.7: S214.1@-248.651,79.446 S214.1@-248.651,80.335 S214.1@-248.651,81.224
NetD215_1: D215.1 S215.1 | length 44.2
  Component Side w0.254: D215.1@-46.101,66 -43.71,63.609 ccw(c-41.914,65.405) v1(-41.914,62.865) ; v1(-19.812,68.834) -10.174,68.834 ccw(c-10.174,68.905) S215.1@-10.103,68.905
  Bottom Layer w0.254: v1(-41.914,62.865) -41.607,62.558 ccw(c-41.428,62.738) -41.428,62.484 -34.067,62.484 ccw(c-34.068,62.738) -33.84,62.627 cw(c-33.274,62.357) -32.708,62.627 ccw(c-32.48,62.738) -32.481,62.484 -23.241,62.484 ccw(c-23.241,65.024) -20.701,65.024 -20.701,66.893 cw(c-18.161,66.893) -19.957,68.689 v1(-19.812,68.834)
  Bottom Layer w0.7: S215.1@-4.493,68.016 S215.1@-4.493,69.794
NetD216_1: D216.1 S216.1 | length 10.3
  Component Side w0.254: D216.1@-48.514,66 cw(c-47.755,66) -47.755,66.759 -47.437,66.759 -46.889,66.759 ccw(c-46.889,67.14) -46.793,66.771 cw(c-46.711,66.455) -46.711,66.782 -46.242,66.782 ccw(c-46.242,67.163) -46.189,66.786 ccw(c-46.555,69.299) -44.015,69.299 S216.1@-44.015,71.445
  Bottom Layer w0.7: S216.1@-45.875,70.556 S216.1@-45.875,72.334
NetD217_1: D217.1 S217.1 | length 6.8
  Component Side w0.254: D217.1@-66.294,66 -65.669,66.625 ccw(c-67.465,68.421) -64.925,68.421 S217.1@-64.925,70.556
  Bottom Layer w0.7: S217.1@-64.925,70.556 S217.1@-64.925,71.445 S217.1@-64.925,72.334
NetD218_1: D218.1 S218.1 | length 6.8
  Component Side w0.254: D218.1@-85.344,66 -84.719,66.625 ccw(c-86.515,68.421) -83.975,68.421 S218.1@-83.975,70.556
  Bottom Layer w0.7: S218.1@-83.975,70.556 S218.1@-83.975,71.445 S218.1@-83.975,72.334
NetD219_1: D219.1 S219.1 | length 8.4
  Component Side w0.254: D219.1@-103.251,66 -103.251,69.359 cw(c-101.165,69.359) S219.1@-101.165,71.445
  Bottom Layer w0.7: S219.1@-103.025,70.556 S219.1@-103.025,71.445 S219.1@-103.025,72.334
NetD220_1: D220.1 S220.1 | length 5.1
  Component Side w0.254: S220.1@-106.365,68.905 cw(c-106.365,68.204) -105.664,68.204 D220.1@-105.664,66
  Bottom Layer w0.7: S220.1@-104.505,68.016 S220.1@-104.505,68.905 S220.1@-104.505,69.794
NetD221_1: D221.1 S221.1 | length 6
  Component Side w0.254: S221.1@-125.416,68.905 cw(c-125.416,66.552) -123.063,66.552 D221.1@-123.063,66
  Bottom Layer w0.7: S221.1@-123.556,68.016 S221.1@-123.556,68.905 S221.1@-123.556,69.794
NetD222_1: D222.1 S222.1 | length 31.2
  Component Side w0.203: D222.1@-179.451,65.659 D222.1@-179.451,66 ccw(c-176.987,66) -176.987,63.536 -161.544,63.536 ccw(c-161.544,66.076) -159.004,66.076 -159.004,70.757 cw(c-158.316,70.757) S222.1@-158.316,71.445
  Bottom Layer w0.7: S222.1@-160.176,70.556 S222.1@-160.176,71.445 S222.1@-160.176,72.334
NetD223_1: D223.1 S223.1 | length 8.9
  Component Side w0.254: D223.1@-181.864,66 cw(c-180.681,66) -180.721,67.182 cw(c-180.681,66) -180.681,67.183 -180.086,67.183 ccw(c-180.086,68.043) -179.226,68.043 S223.1@-179.226,70.556 ; S223.1@-178.181,71.445 S223.1@-177.366,71.445
  Bottom Layer w0.7: S223.1@-179.226,70.556 S223.1@-179.226,71.445 S223.1@-179.226,72.334
NetD224_1: D224.1 S224.1 | length 7.1
  Component Side w0.254: D224.1@-199.644,66 ccw(c-199.644,67.368) -198.276,67.368 S224.1@-198.276,70.556
  Bottom Layer w0.7: S224.1@-198.276,70.556 S224.1@-198.276,71.445 S224.1@-198.276,72.334
NetD225_1: D225.1 S225.1 | length 8.4
  Component Side w0.254: D225.1@-217.551,66 -217.551,69.36 cw(c-215.466,69.36) S225.1@-215.466,71.445
  Bottom Layer w0.7: S225.1@-217.326,70.556 S225.1@-217.326,71.445 S225.1@-217.326,72.334
NetD226_1: D226.1 S226.1 | length 5.1
  Component Side w0.254: S226.1@-220.666,68.905 cw(c-220.666,68.203) -219.964,68.203 D226.1@-219.964,66
  Bottom Layer w0.7: S226.1@-218.806,68.016 S226.1@-218.806,68.905 S226.1@-218.806,69.794
NetD227_1: D227.1 S227.1 | length 6.8
  Component Side w0.254: S227.1@-239.716,68.905 -239.014,68.905 cw(c-239.014,66.365) -236.474,66.365 D227.1@-236.474,66
  Bottom Layer w0.7: S227.1@-237.856,68.016 S227.1@-237.856,68.905 S227.1@-237.856,69.794
NetD228_1: D228.1 S228_1.1 S228_2.2 | length 47.1
  Component Side w0.203: S228_1.1@-269.554,80.335 -269.554,79.375 -260.132,79.375 ccw(c-260.132,81.915) -258.336,80.119 -255.379,83.076 cw(c-253.583,81.28) -253.583,83.82 -242.739,83.82 cw(c-242.739,82.635) D228.1@-241.554,82.635
  Component Side w0.254: S228_1.1@-268.594,80.335 cw(c-268.594,80.854) -269.113,80.854 -269.113,85.415 cw(c-266.573,85.415) -266.573,87.955 S228_2.2@-262.516,87.955
  Bottom Layer w0.6: S228_1.1@-267.694,79.446 S228_1.1@-267.694,80.335 S228_1.1@-267.694,81.224 ; S228_2.2@-256.906,88.21 S228_2.2@-256.906,88.844